# Altium PCB Knobber.PcbDoc
Units mm, origin at the board's own origin, x right, y up, seen from the top; angles counter-clockwise.
Board outline 32 x 31.45 mm, 4 copper layers (Top Layer, MidLayer1, MidLayer2, Bottom Layer), stack 1.57 mm thick; 61 components, 36 nets, 205 pads, 77 vias.
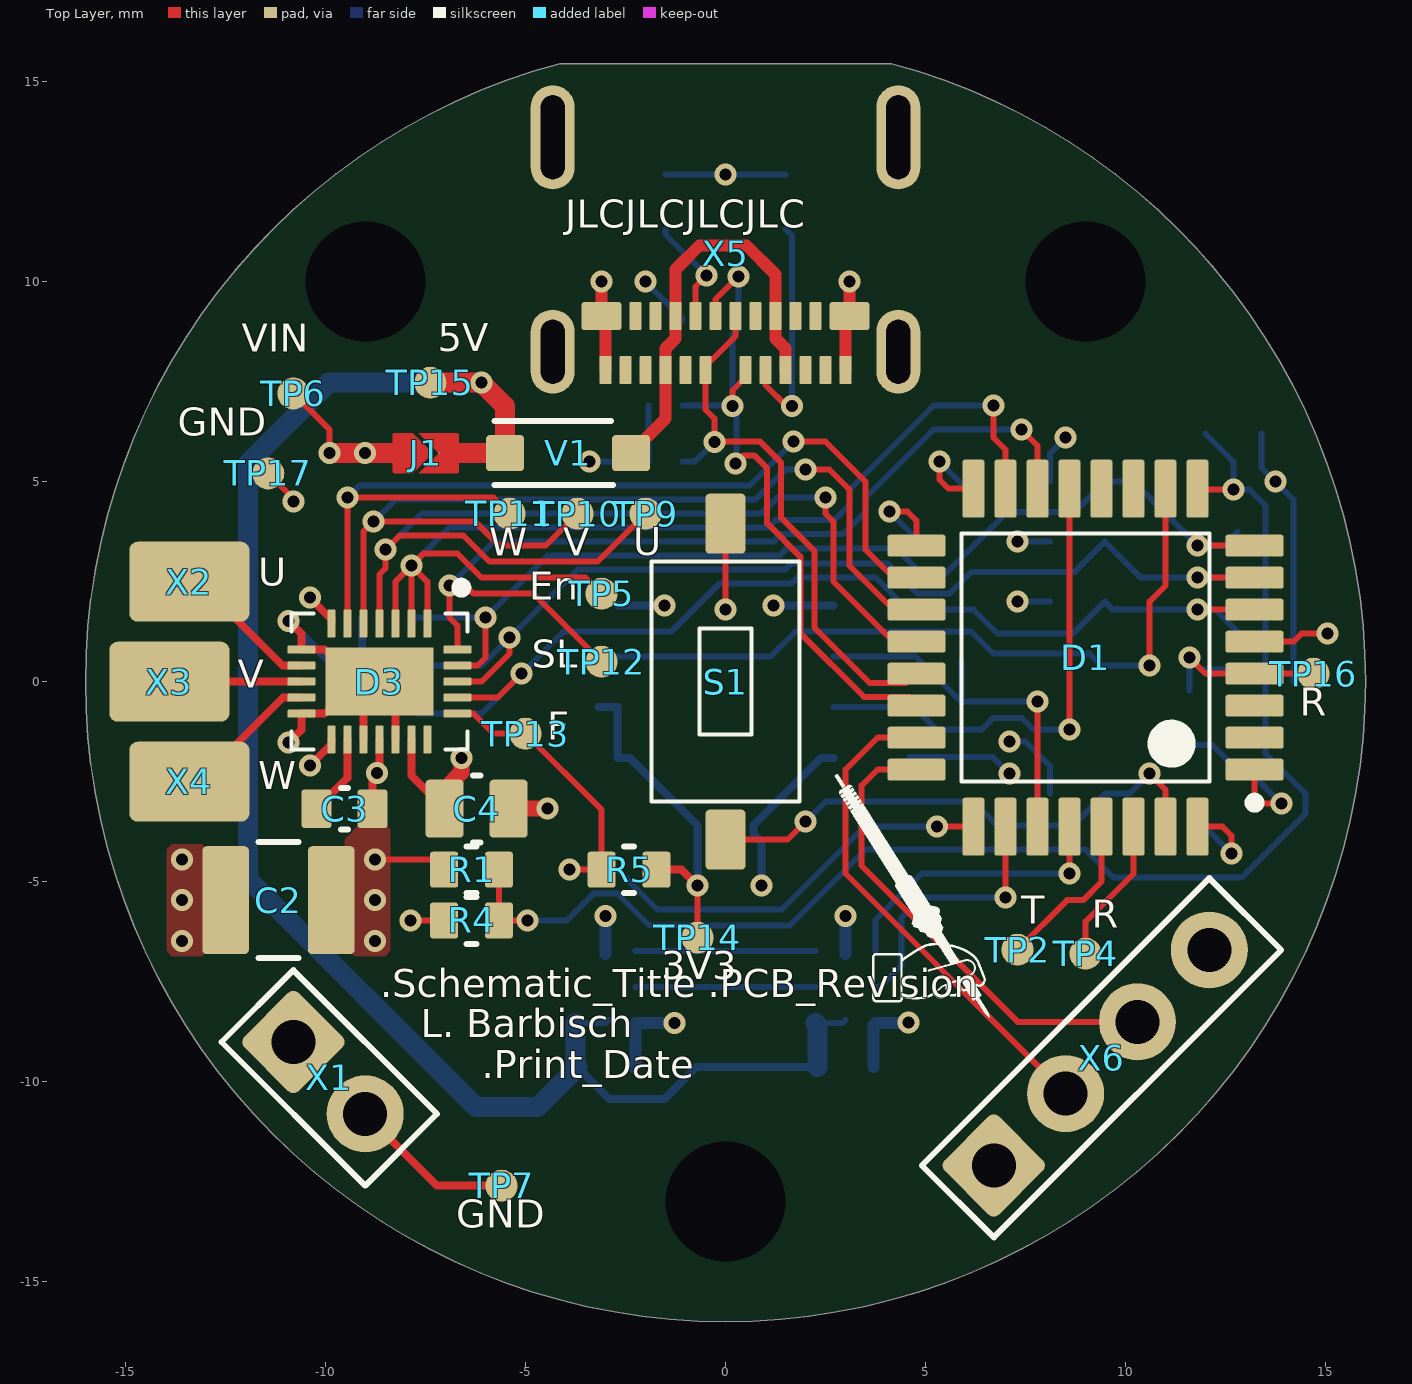
[diagram p0: Top Layer view]
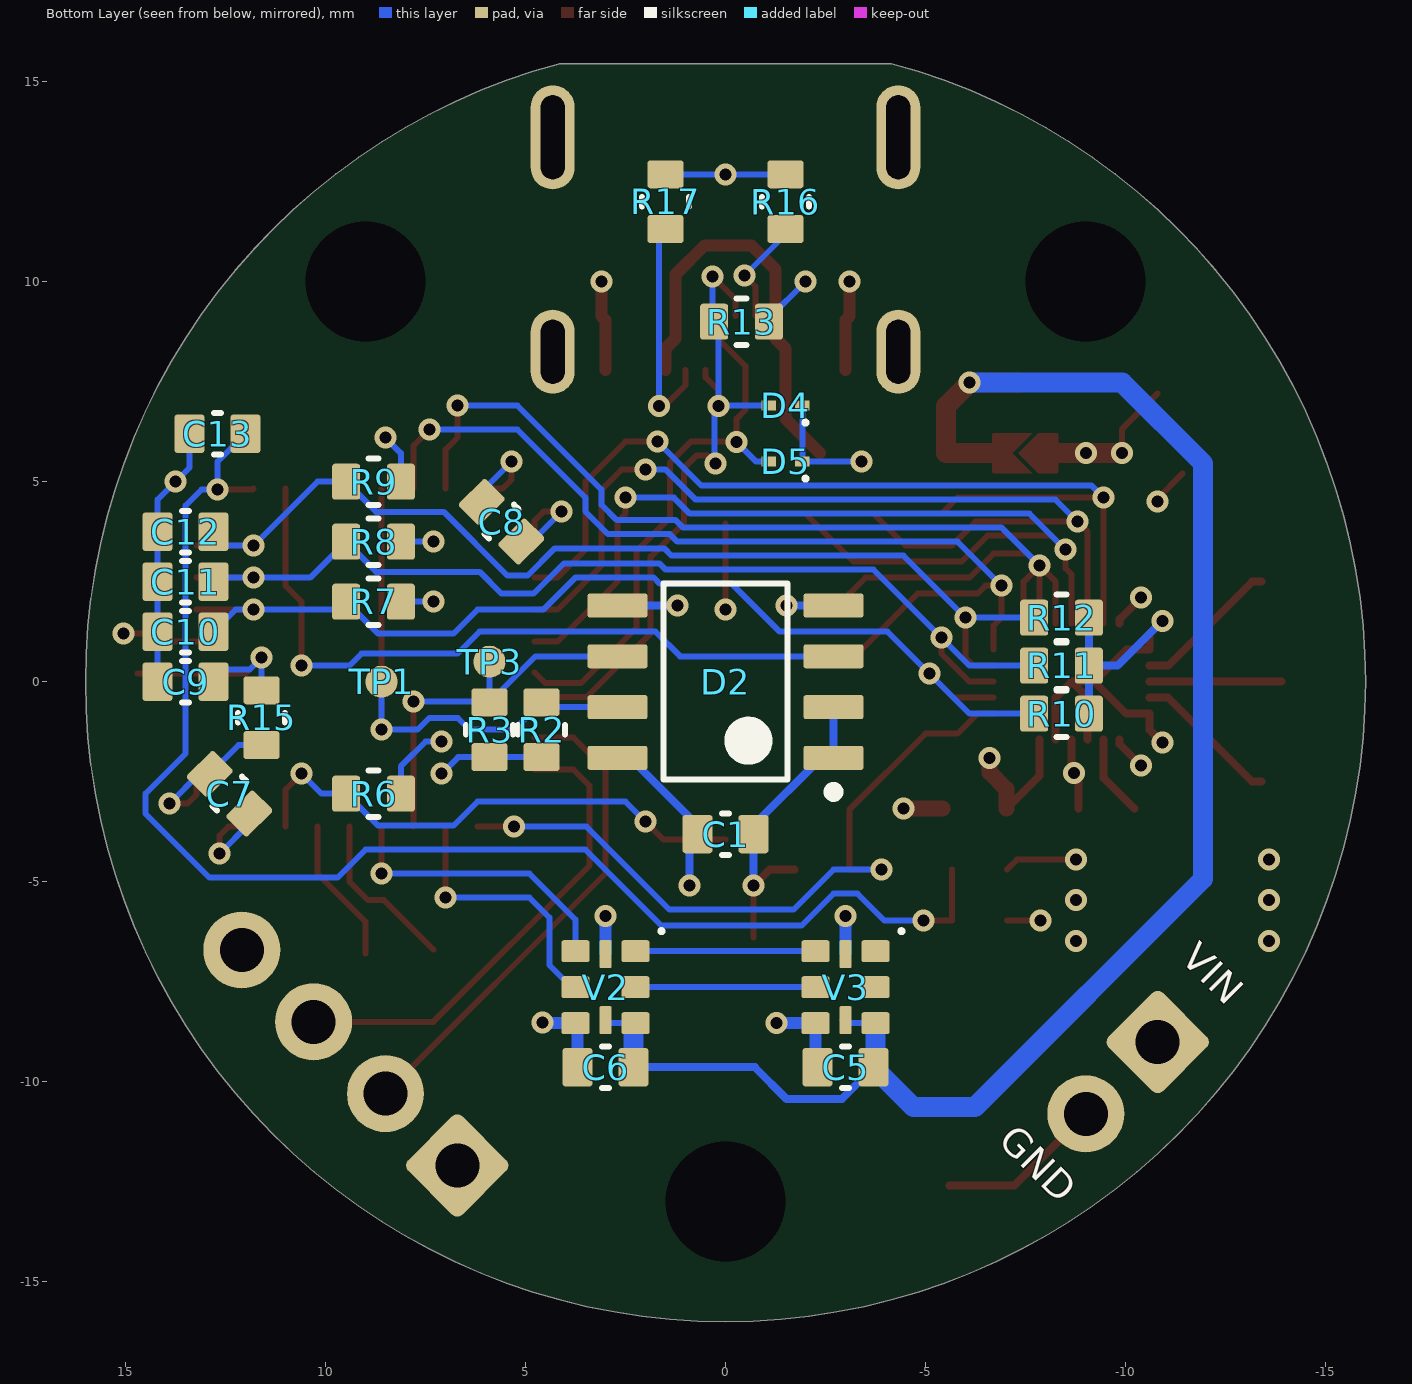
[diagram p1: Bottom Layer view, seen from below]
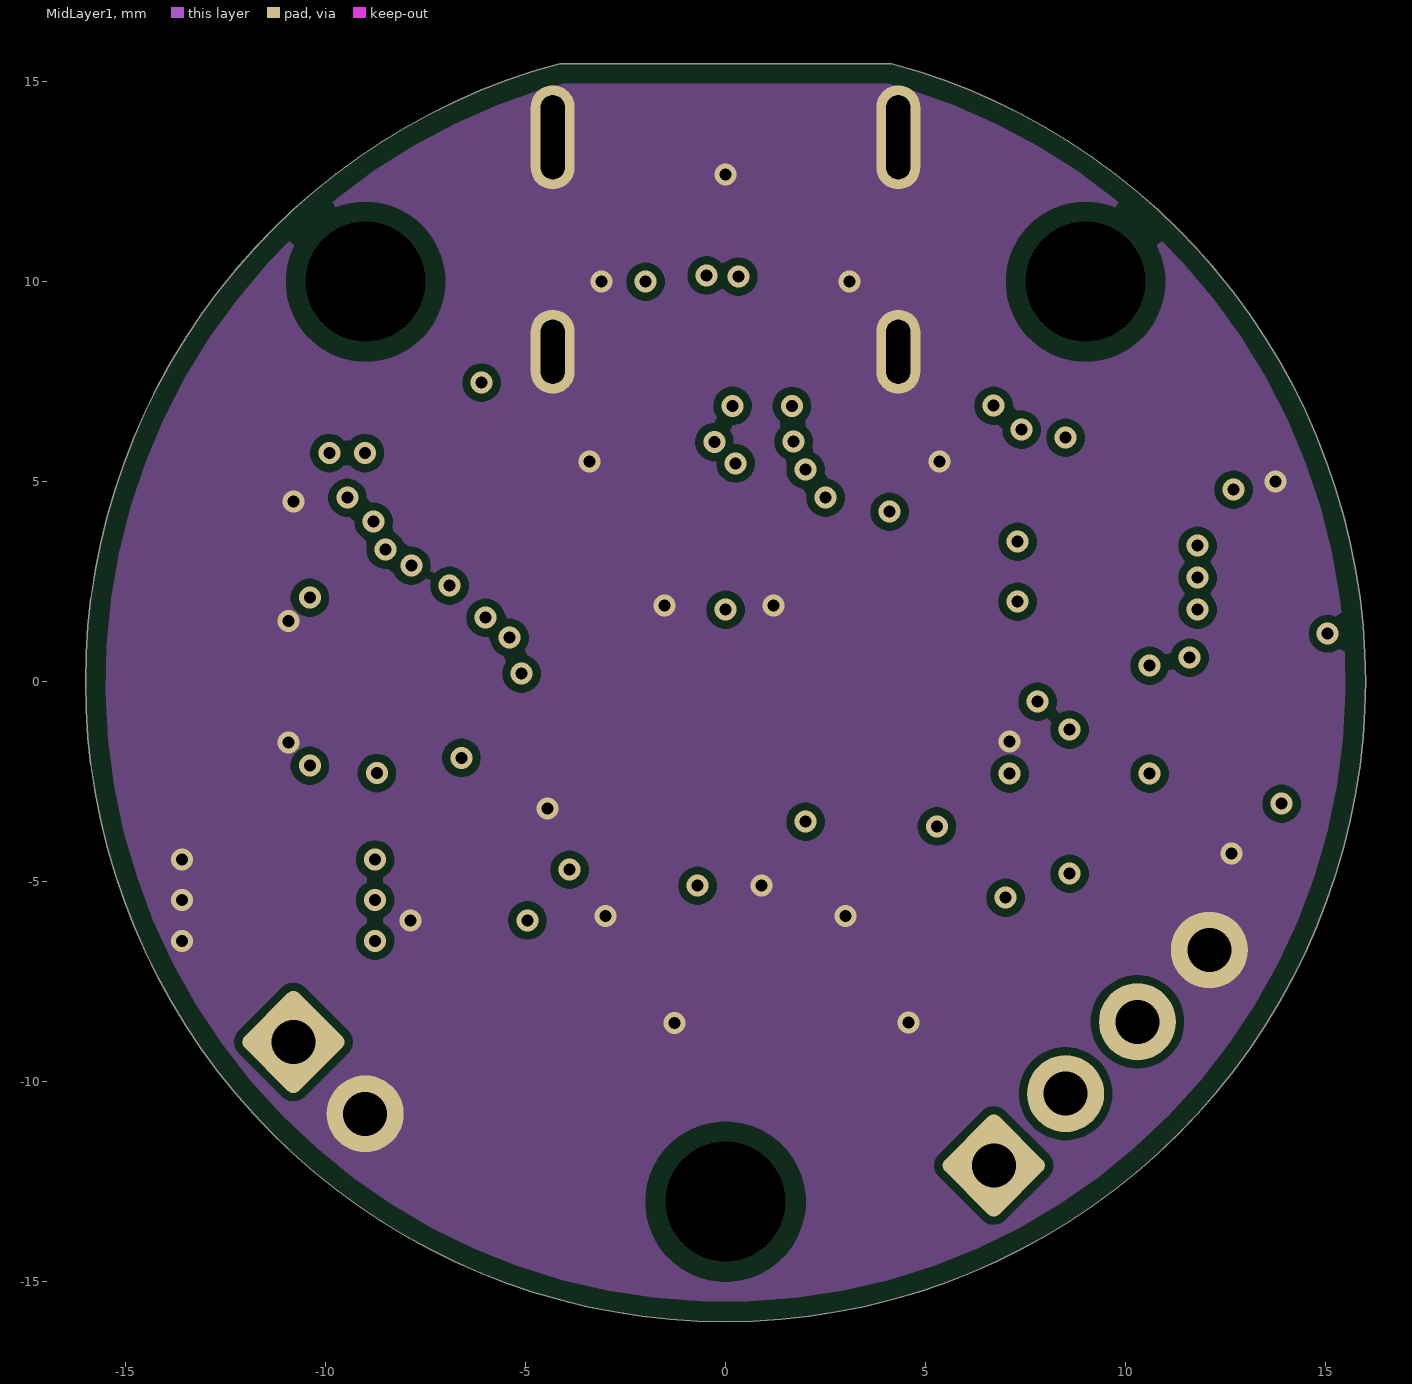
[diagram p2: MidLayer1]
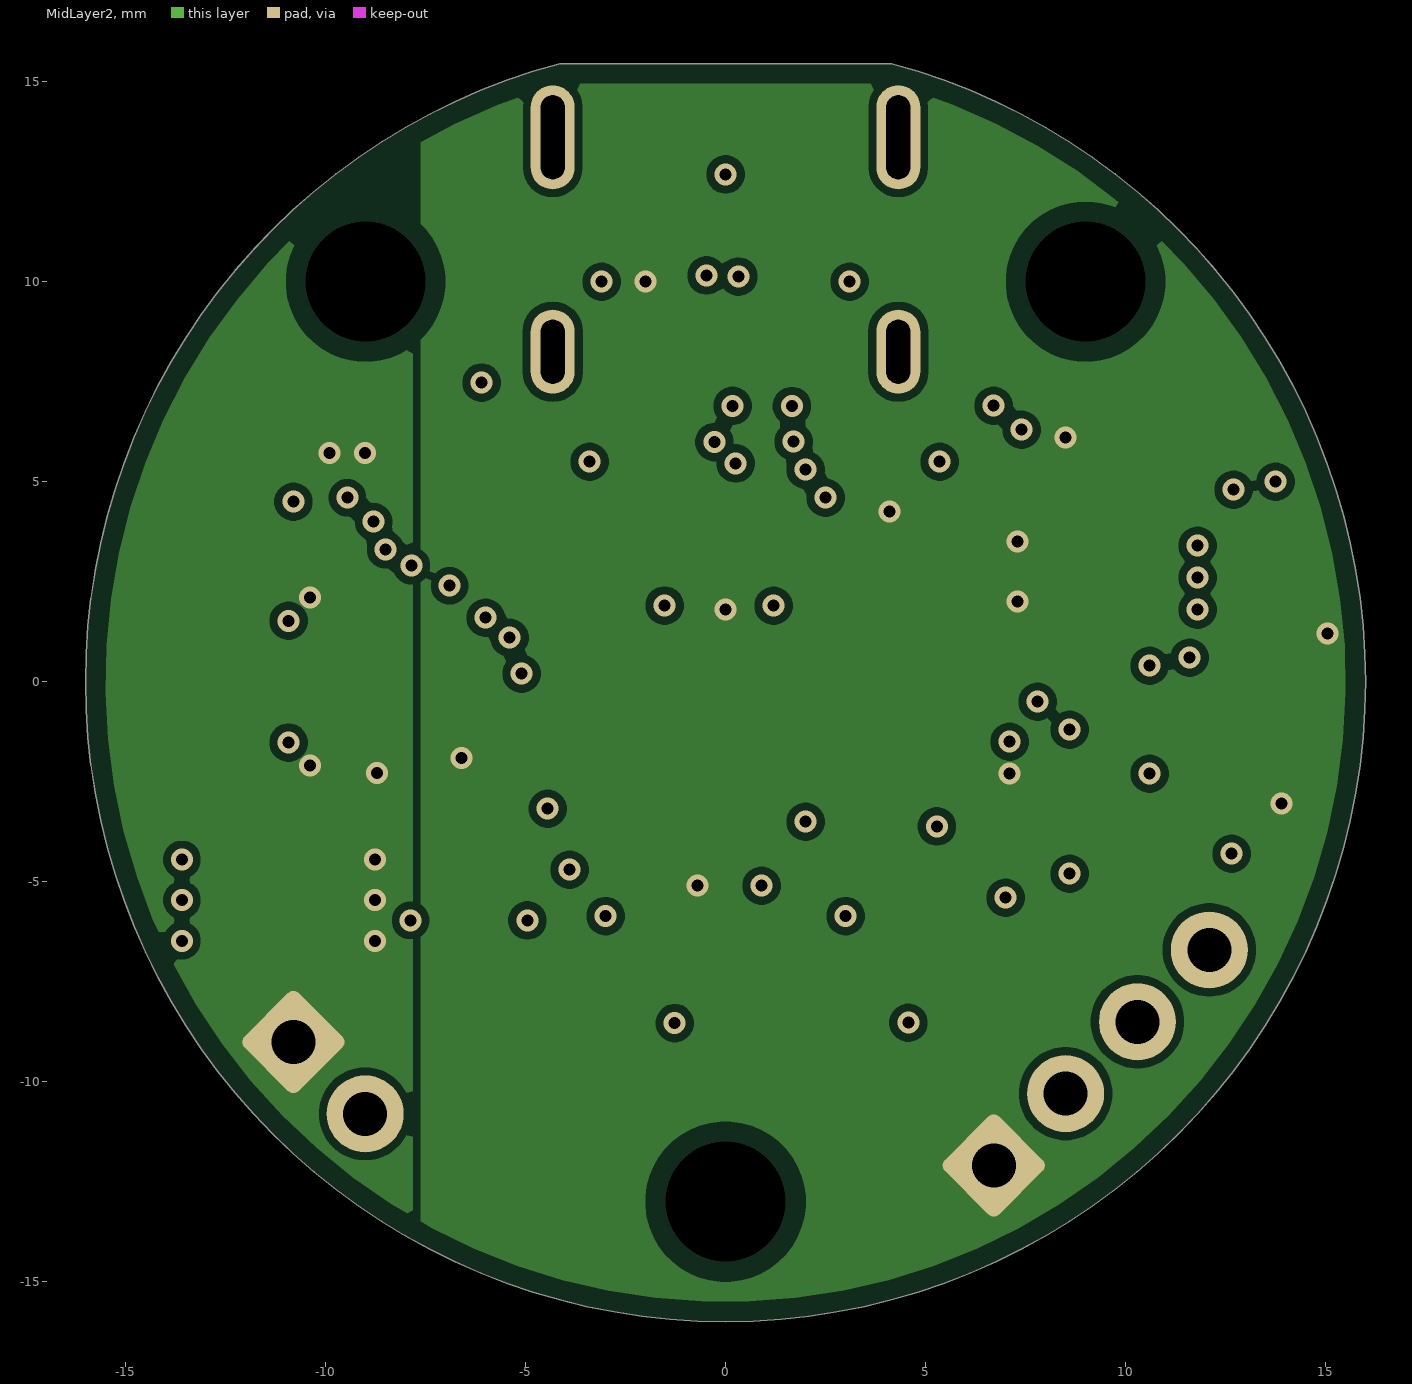
[diagram p3: MidLayer2]

## Layer stack, top to bottom
Top Solder: solder mask 0.01, Solder Resist, Dk 3.5
Top Layer: signal copper 0.035
Dielectric1: prepreg 0.18, FR-4 (7628), Dk 4.2
Dielectric 2: prepreg 0.18, FR-4 (7628), Dk 4.2
MidLayer1: signal copper 0.035
Core: core 0.71, Dk 4.2
MidLayer2: signal copper 0.035
Dielectric 3: prepreg 0.18, FR-4 (7628), Dk 4.2
Dielectric 4: prepreg 0.18, FR-4 (7628), Dk 4.2
Bottom Layer: signal copper 0.035
Bottom Solder: solder mask 0.01, Solder Resist, Dk 3.5

## Board outline
-4.141,15.455 ccw(c0,0) 4.141,15.455

## Design rules (kind name [scope] priority, off if disabled: settings)
AssemblyTestPointUsage [IsTestpoint] p1:
AssemblyTestpoint [IsTestpoint] p1 off: testpointundercomponent=TRUE minsize=0.8 maxsize=1.6 preferedsize=0.85 minholesize=0 maxholesize=0 preferedholesize=0 testpointgrid=0.025 usegrid=FALSE gridtolerance=0 allowsidetop=TRUE allowsidebottom=TRUE minspacing=2.54
BoardOutlineClearance [All and not OnLayer('Top Overlay')] p1: gap=0.5 ignorepadtopadclearanceinfootprint=FALSE except(0: Arc-SplitContinuation Track-SplitContinuation SMDPad-SplitContinuation Fill-SplitContinuation Poly-SplitContinuation Region-SplitContinuation Text-SplitContinuation; 1.5: THPad-SplitContinuation Via-SplitContinuation)
Clearance Clearance_NetClasses [InNetClass('PrimarySide') vs InNetClass('SecondarySide')] p1: gap=1 ignorepadtopadclearanceinfootprint=FALSE except(0: Arc-Hole Track-Hole SMDPad-Hole THPad-Hole Via-Hole Fill-Hole Poly-Hole Region-Hole Text-Hole)
Clearance Clearance_Pri-PE [InNetClass('PrimarySide') vs InNet('EARTH') or InNet('EARTH_G2') or InNet('EARTH_USB') or InNet('NetC3_2')] p2: gap=1 ignorepadtopadclearanceinfootprint=FALSE except(0: Arc-Hole Track-Hole SMDPad-Hole THPad-Hole Via-Hole Fill-Hole Poly-Hole Region-Hole Text-Hole)
Clearance Clearance_Sec-PE [InNetClass('SecondarySide') vs InNet('EARTH') or InNet('EARTH_G2') or InNet('EARTH_USB') or InNet('NetC3_2')] p3: gap=0.5 ignorepadtopadclearanceinfootprint=FALSE except(0: Arc-Hole Track-Hole SMDPad-Hole THPad-Hole Via-Hole Fill-Hole Poly-Hole Region-Hole Text-Hole)
Clearance Clearance_KeepOut [OnLayer('Keep-Out Layer')] p4: gap=0.5 ignorepadtopadclearanceinfootprint=FALSE except(0: Arc-Hole Track-Hole SMDPad-Hole THPad-Hole Via-Hole Fill-Hole Poly-Hole Region-Hole Text-Hole)
Clearance Clearance2Holes [not OnTopLayer AND NOT OnBottomLayer vs (ObjectKind = 'Pad') And (Layer = 'MultiLayer') And (PadIsPlated = 'False')] p5: gap=0.5 ignorepadtopadclearanceinfootprint=FALSE
Clearance Clearance_via2via [IsVia vs IsVia] p6: gap=0.15 ignorepadtopadclearanceinfootprint=FALSE
Clearance [All and not HasFootprint('J-1206_Solderjumper_2Pin')] p7: gap=0.2 ignorepadtopadclearanceinfootprint=FALSE except(0: Arc-Hole Track-Hole SMDPad-Hole THPad-Hole Via-Hole Fill-Hole Poly-Hole Region-Hole Text-Hole)
ComponentClearance [IsComponent] p1: gap=0.254 collisioncheckmode=3 verticalgap=0.254 showdistances=TRUE donotcheckwithout3dbody=TRUE
DiffPairsRouting [All] p1: maxlimit=0.254 minlimit=0.2 mostfreqgap=0.254 toplayer_minwidth=0.15 toplayer_maxwidth=0.381 toplayer_prefwidth=0.381 midlayer1_minwidth=0.15 midlayer1_maxwidth=0.381 midlayer1_prefwidth=0.381 midlayer2_minwidth=0.15 midlayer2_maxwidth=0.381 midlayer2_prefwidth=0.381 bottomlayer_minwidth=0.15 bottomlayer_maxwidth=0.381 bottomlayer_prefwidth=0.381 maxuncoupledlength=12.7
FabricationTestPointUsage [IsTestpoint] p1: valid=0 allowmultiple=FALSE
FabricationTestpoint [IsTestpoint] p1 off: side=3 testpointundercomponent=TRUE minsize=0.8 maxsize=1.6 preferedsize=0.85 minholesize=0 maxholesize=0 preferedholesize=0 testpointgrid=0.025 allowsidetop=TRUE allowsidebottom=TRUE usegrid=FALSE gridtolerance=0 minspacing=2.54 boardedgeclearance=1.9
HoleSize [All] p1: absolutevalues=TRUE maxlimit=6.4 minlimit=0.2 maxpercent=80.000 minpercent=20.000
MinimumAnnularRing MinimumAnnularRingVia [IsVia] p1: minimumring=0.12
MinimumAnnularRing MinimumAnnularRingDefault [All] p2: minimumring=0.15
MinimumSolderMaskSliver MinimumSolderMaskSliver_Symbols [IsComponent] p1: minsoldermaskwidth=0
MinimumSolderMaskSliver [All] p2: minsoldermaskwidth=0.1
PlaneClearance PlaneClearance_PE [InNet('EARTH_USB')  or InNet('EARTH_G2') or InNet('NetC3_2') or InNet('EARTH')] p1: clearance=1
PlaneClearance PlaneClearance_Holes-via [(IsVia)] p2: clearance=0.35
PlaneClearance PlaneClearance_Holes-Special [(InComponentClass('SpecialConnector'))] p3: clearance=0.35
PlaneClearance [All] p4: clearance=0.5
PlaneConnect "PlaneConnect_Special Con" [(InComponentClass('SpecialConnector'))] p1: planeconnectstyle=Direct reliefexpansion=0.508 reliefentries=4 reliefconductorwidth=0.254 reliefairgap=0.254
PlaneConnect PlaneConnect_Components [(InComponentClass('All Components'))] p2: planeconnectstyle=Relief reliefexpansion=0.35 reliefentries=4 reliefconductorwidth=0.25 reliefairgap=0.25
PlaneConnect [All] p3: planeconnectstyle=Direct reliefexpansion=0.508 reliefentries=4 reliefconductorwidth=0.254 reliefairgap=0.254
PolygonConnect PolygonConnect_Components [(InComponentClass('All Components'))] p1: connectstyle=Direct reliefconductorwidth=0.254 reliefentries=4 polygonreliefangle="90 Angle" airgapwidth=0.254
PolygonConnect [All] p2: connectstyle=Direct reliefconductorwidth=0.254 reliefentries=4 polygonreliefangle="90 Angle" airgapwidth=0.254
RoutingVias Micro-Vias [((ObjectKind = 'Via') AND (StartLayer = 'Top Layer') AND (StopLayer = 'InternalPlane1')) OR ((ObjectKind = 'Via') AND (StartLayer = 'Bottom Layer') AND (StopLayer = 'InternalPlane2'))] p1: holewidth=0.15 width=0.35 viastyle="Through Hole" minholewidth=0.15 minwidth=0.35 maxholewidth=0.15 maxwidth=0.35
RoutingVias [All] p2: holewidth=0.2 width=0.55 viastyle="Through Hole" minholewidth=0.2 minwidth=0.55 maxholewidth=0.3 maxwidth=0.7 useviatemplates=TRUE viatemplateguid#1={409902A1-507B-49B3-8F71-9776A71DEEE2} viatemplatename#1=v55h30m0mx0
SilkToSilkClearance [All] p1: silktosilkclearance=0.2
SilkToSolderMaskClearance SilkToPadClearance [IsPad] p1: minsilkscreentomaskgap=0.2 clearancetoexposedcopper=TRUE
SolderMaskExpansion SolderMaskExpansionVias [IsVia] p1: expansion=0.15 istentingtop=FALSE soldermaskfromhole=TRUE
SolderMaskExpansion SolderMaskExpansionHoles [(ObjectKind = 'Pad') And (PadIsPlated = 'False') And (AsMM(PadXSize_AllLayers) = 0) And (AsMM(PadYSize_AllLayers) = 0)] p2: expansion=0.05 istentingtop=FALSE soldermaskfromhole=TRUE
SolderMaskExpansion SolderMaskExpansionSTD [IsPad  Or IsRegion] p3: expansion=0.05 istentingtop=FALSE
SupplyNets "Schematic Supply Nets_3" [InNet('GND')] p1: voltage=0.000
SupplyNets "Schematic Supply Nets_2" [InNet('+5V')] p2: voltage=0.000
SupplyNets "Schematic Supply Nets_1" [InNet('VIN')] p3: voltage=0.000
SupplyNets "Schematic Supply Nets" [InNet('+3V3')] p4: voltage=0.000
ViasUnderSMD ViasUnderSMD_TP [HasFootprint('TP_1.0mm')] p1: allowed=TRUE
ViasUnderSMD [All] p2: allowed=FALSE
Width [All] p1: maxlimit=2 minlimit=0.15 preferedwidth=0.2 minimp=50.000000 maximp=50.000000 favimp=50.000000
18 further rules are at their usual default settings.

## Classes and differential pairs
component class Surface_Assy: D4 D5
component class Through-Hole_Assy: X1 X5 X6
component class Testpoint: TP1 TP2 TP3 TP4 TP5 TP6 TP7 TP9 TP10 TP11 TP12 TP13 TP14 TP15 TP16 TP17 X2 X3 X4
component class Surface_Assy: C1 C2 C3 C4 C5 C6 C7 C8 C9 C10 C11 C12 C13 D1 D2 D3 J1 R1 R2 R3 R4 R5 R6 R7 R8 R9 R10 R11 R12 R13 R15 R16 R17 S1 V1 V2 V3
differential pair D: +D_P -D_N

## Components (designator, comment, footprint, x,y, rotation, side; value= is the part's Value field where it differs from the comment)
C1 "Cap 1u 0603" C-0603_1608_095_L_RF 0,-3.81 r180 bottom value=1µF
C2 "CAP 10u 1210" C-1210_3225_230_L_RF -11.176,-5.461 r0 top value=10µF
C3 "Cap 1u 0603" C-0603_1608_095_L_RF -9.525,-3.175 r0 top value=1µF
C4 "CAP 10u 16V 0805" C-0805_2012_145_L_RF -6.223,-3.175 r180 top value=10µF
C5 "Cap 100n 0603" C-0603_1608_095_L_RF -3,-9.637 r180 bottom value=100nF
C6 "Cap 100n 0603" C-0603_1608_095_L_RF 3,-9.637 r180 bottom value=100nF
C7 "Cap 100n 0603" C-0603_1608_095_L_RF 12.4,-2.8 r45 bottom value=100nF
C8 "Cap 1u 0603" C-0603_1608_095_L_RF 5.6,4 r225 bottom value=1µF
C9 "Cap 100n 0603" C-0603_1608_095_L_RF 13.5,0 r180 bottom value=100nF
C10 "Cap 100p 0603" C-0603_1608_095_L_RF 13.5,1.25 r180 bottom value=100pF
C11 "Cap 100p 0603" C-0603_1608_095_L_RF 13.5,2.5 r180 bottom value=100pF
C12 "Cap 100p 0603" C-0603_1608_095_L_RF 13.5,3.75 r180 bottom value=100pF
C13 "Cap 100p 0603" C-0603_1608_095_L_RF 12.7,6.2 r180 bottom value=100pF
D1 "STM32L412KBT6" LQFP32_N_RF 9,0.6 r180 top locked
D2 "AS5600" SOIC8_N_RF 0,0 r0 bottom locked
D3 "MP6543HGL" QFN24_5x7_N_RF -8.655,0 r270 top
D4 "5V" SOD-923_N_RF -1.5,6.9 r0 bottom
D5 "5V" SOD-923_N_RF -1.5,5.5 r0 bottom
J1 "Solder jumper 2Pin" J-1206_Solderjumper_2Pin -7.493,5.715 r0 top value=Jumper
R1 "Res 10k 0603" R-0603_1608_050_L_RF -6.35,-4.699 r180 top value=10k
R2 "Res 4k7 0603" R-0603_1608_050_L_RF 4.6,-1.2 r270 bottom value=4.7k
R3 "Res 4k7 0603" R-0603_1608_050_L_RF 5.9,-1.2 r270 bottom value=4.7k
R4 "Res 1k 0603" R-0603_1608_050_L_RF -6.35,-5.969 r0 top value=1k
R5 "Res 10k 0603" R-0603_1608_050_L_RF -2.413,-4.699 r0 top value=10k
R6 "Res 10k 0603" R-0603_1608_050_L_RF 8.8,-2.8 r0 bottom value=10k
R7 "Res 10k 0603" R-0603_1608_050_L_RF 8.8,2 r180 bottom value=10k
R8 "Res 10k 0603" R-0603_1608_050_L_RF 8.8,3.5 r180 bottom value=10k
R9 "Res 10k 0603" R-0603_1608_050_L_RF 8.8,5 r180 bottom value=10k
R10 "Res 10k 0603" R-0603_1608_050_L_RF -8.4,-0.8 r0 bottom value=10k
R11 "Res 10k 0603" R-0603_1608_050_L_RF -8.4,0.4 r0 bottom value=10k
R12 "Res 10k 0603" R-0603_1608_050_L_RF -8.4,1.6 r0 bottom value=10k
R13 "Res 1k5 0603" R-0603_1608_050_L_RF -0.4,9 r180 bottom value=1.5k
R15 "Res 10k 0603" R-0603_1608_050_L_RF 11.6,-0.9 r90 bottom value=10k
R16 "Res 5k1 0603" R-0603_1608_050_L_RF -1.5,12 r270 bottom value=5.1k
R17 "Res 5k1 0603" R-0603_1608_050_L_RF 1.5,12 r270 bottom value=5.1k
S1 "K2-1107ST-A4DW-06" K2-1107ST-A4DW-06 0,0 r90 top locked
TP1 "TestPoint 0.8mm" TP_0.8mm 8.6,0 r90 bottom value=TP
TP2 "TestPoint 0.8mm" TP_0.8mm 7.3,-6.7 r0 top value=TP
TP3 "TestPoint 0.8mm" TP_0.8mm 5.9,0.5 r90 bottom value=TP
TP4 "TestPoint 0.8mm" TP_0.8mm 9,-6.8 r0 top value=TP
TP5 "TestPoint 0.8mm" TP_0.8mm -3.1,2.2 r90 top value=TP
TP6 "TestPoint 0.8mm" TP_0.8mm -10.804,7.207 r90 top value=TP
TP7 "TestPoint 0.8mm" TP_0.8mm -5.6,-12.6 r0 top value=TP
TP9 "TestPoint 0.8mm" TP_0.8mm -2,4.2 r180 top value=TP
TP10 "TestPoint 0.8mm" TP_0.8mm -3.7,4.2 r180 top value=TP